# Altium PCB STB_LightBoard.PcbDoc (part 18 of 31)
Units mm, origin at the board's own origin, x right, y up, seen from the top; angles counter-clockwise.
Board outline 348 x 348 mm, 2 copper layers (Top Layer, Bottom Layer), stack 1.672 mm thick; 3807 components, 3391 nets, 11616 pads, 2553 vias.
Unrouted connection lines stored in the file: 68.
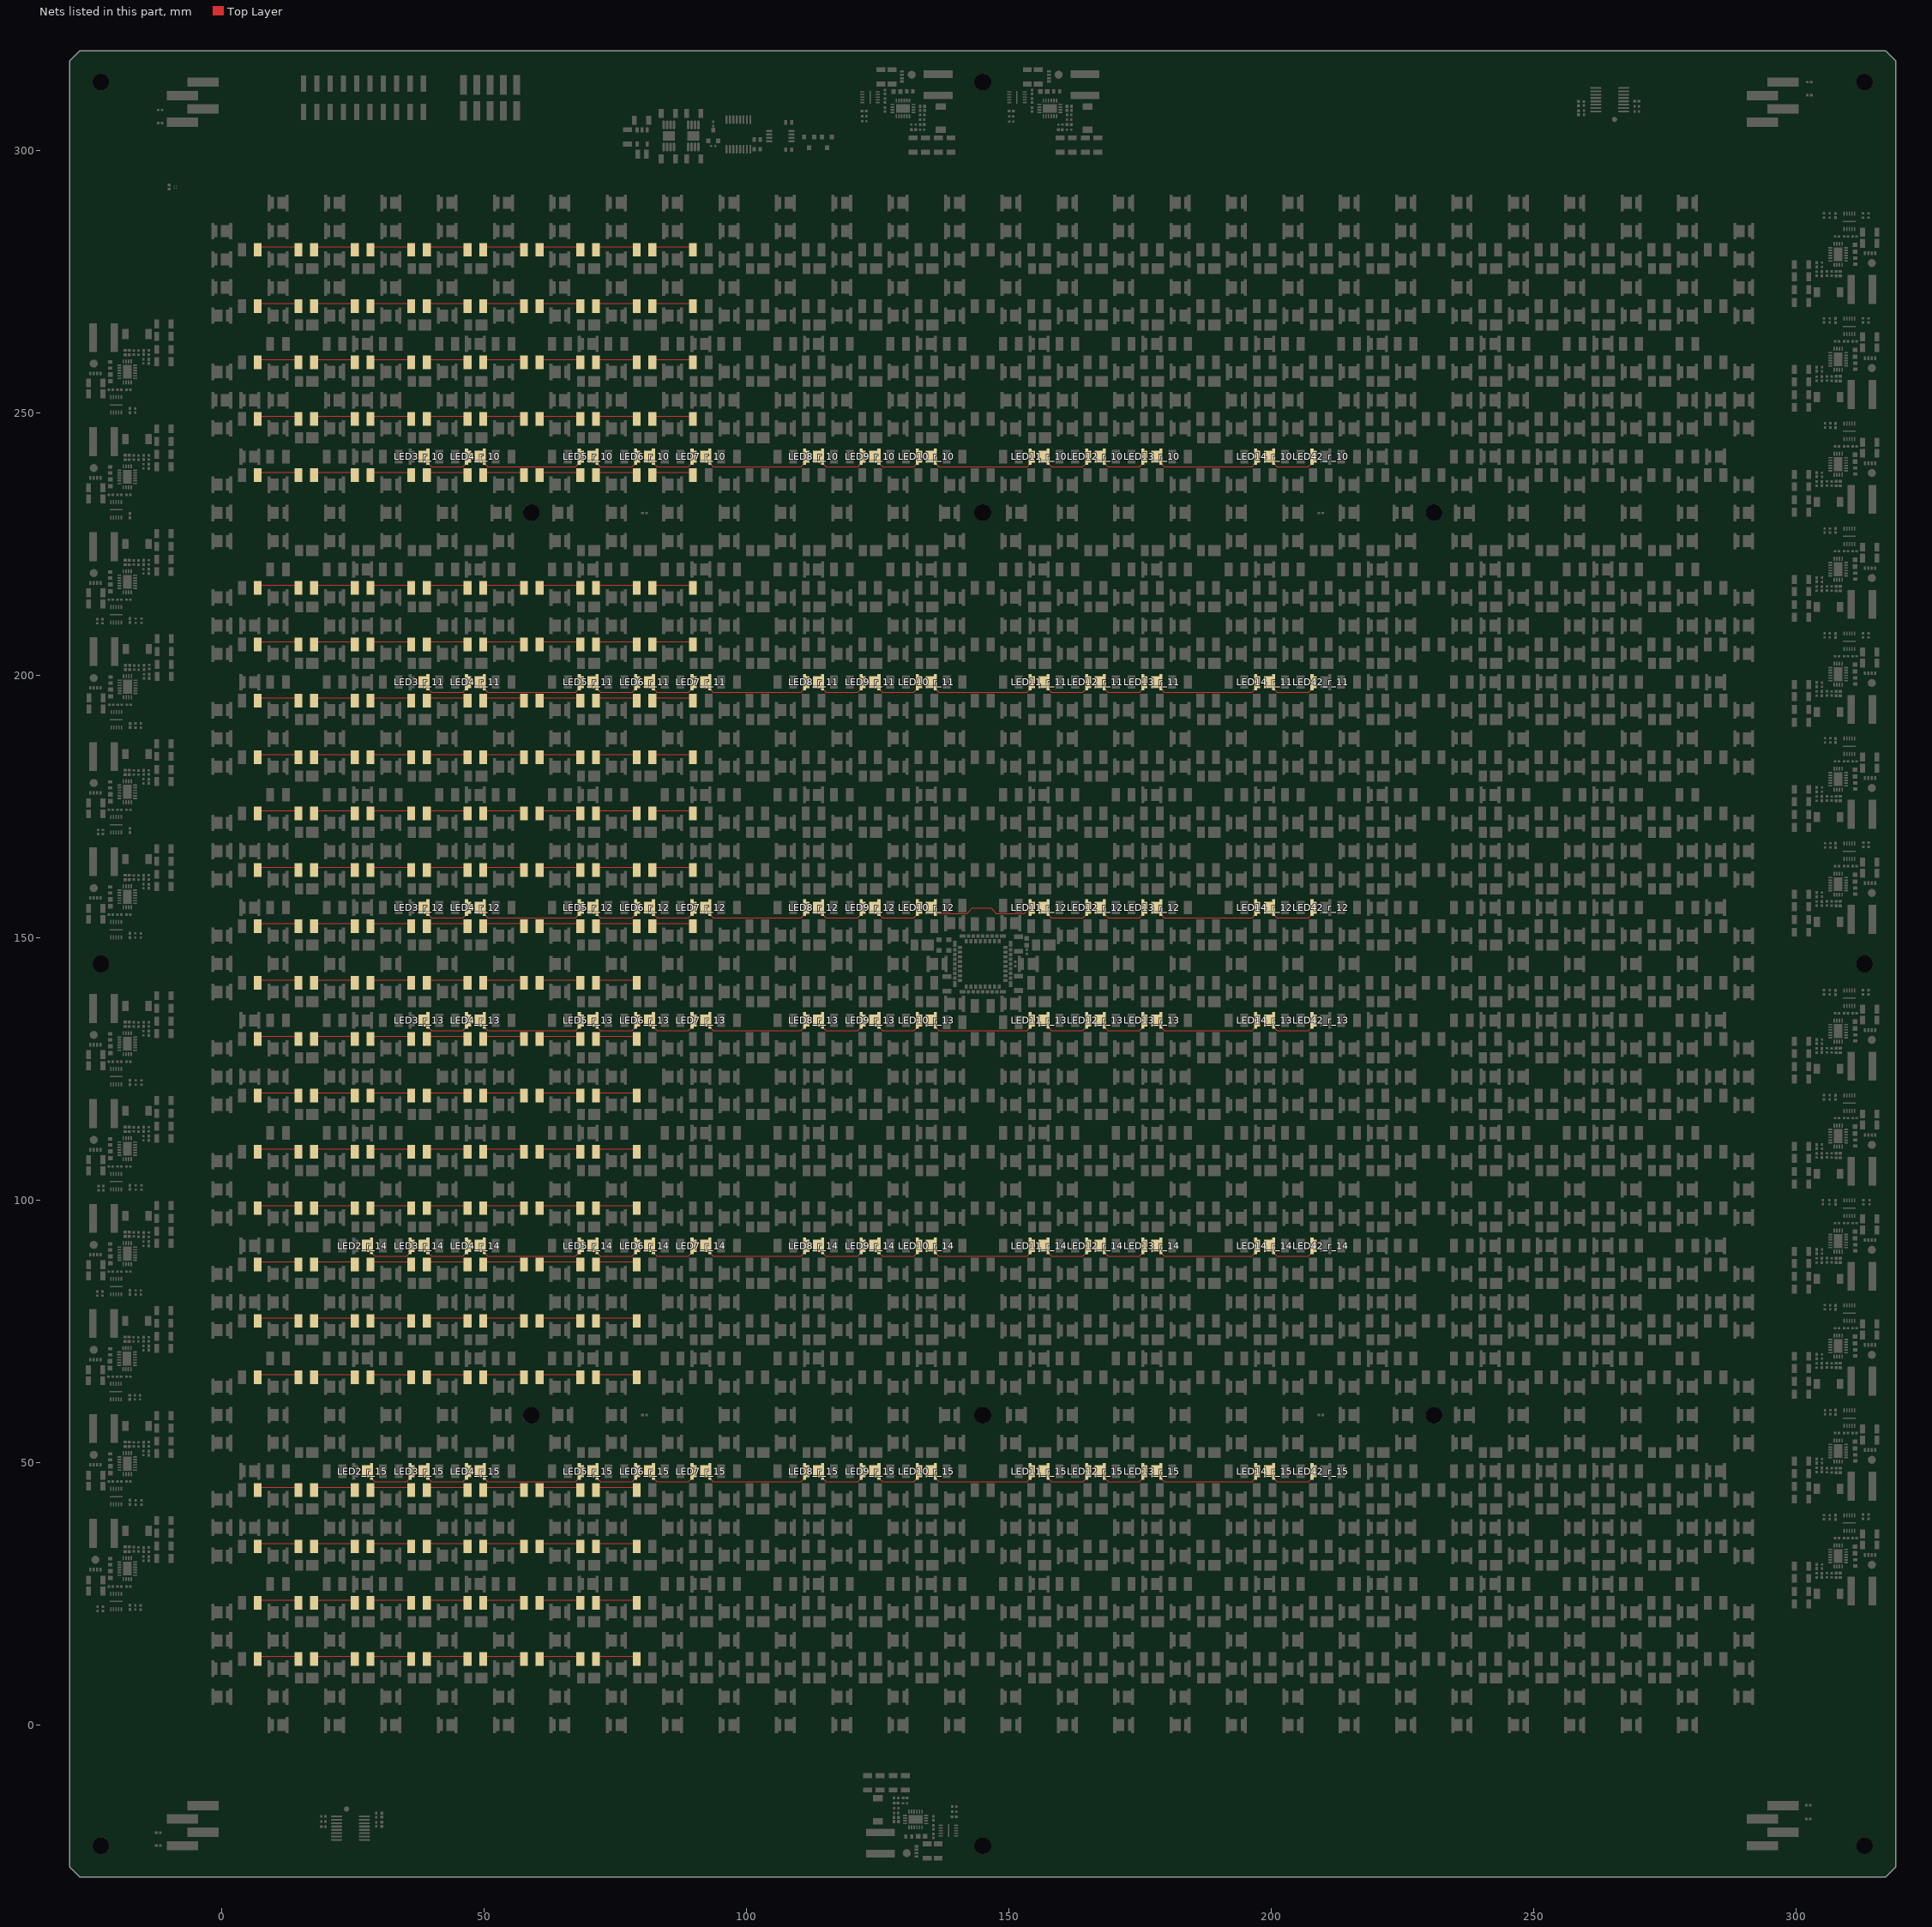
[diagram p18: the nets of this part, all layers, seen from the top]

## Via types
v1: diameter 0.604, hole 0.3, Top Layer to Bottom Layer, tented both sides, 2553 vias

## Nets (pads, with @x,y where several pads share a name; then routed paths per layer and width w, separated by ;. In a path a pad name is that pad's centre, name@x,y a point inside that pad or via, vN(x,y) a via of type N, cw(c..) or ccw(c..) an arc to the next point about the centre after c; other vN are vias at no path point) (continued)
NetLED2_r_14_1: LED2_r_14.1 LED3_r_14.2 | length 10.5
  Top Layer w0.2: LED2_r_14.1@28.552,91.276 28.552,90.001 29.227,89.326 35.218,89.326 35.893,90.001 LED3_r_14.2@35.893,91.276
NetLED2_r_15_1: LED2_r_15.1 LED3_r_15.2 | length 10.5
  Top Layer w0.2: LED2_r_15.1@28.552,48.312 28.552,47.037 29.227,46.362 35.218,46.362 35.893,47.037 LED3_r_15.2@35.893,48.312
NetLED3_r_10_1: LED3_r_10.1 LED4_r_10.2 | length 10.5
  Top Layer w0.2: LED3_r_10.1@39.293,241.65 39.293,240.375 39.968,239.7 45.959,239.7 46.634,240.375 LED4_r_10.2@46.634,241.65
NetLED3_r_11_1: LED3_r_11.1 LED4_r_11.2 | length 10.5
  Top Layer w0.2: LED3_r_11.1@39.293,198.686 39.293,197.411 39.968,196.736 45.959,196.736 46.634,197.411 LED4_r_11.2@46.634,198.686
NetLED3_r_12_1: LED3_r_12.1 LED4_r_12.2 | length 10.5
  Top Layer w0.2: LED3_r_12.1@39.293,155.722 39.293,154.447 39.968,153.772 45.959,153.772 46.634,154.447 LED4_r_12.2@46.634,155.722
NetLED3_r_13_1: LED3_r_13.1 LED4_r_13.2 | length 10.5
  Top Layer w0.2: LED3_r_13.1@39.293,134.24 39.293,132.965 39.968,132.29 45.959,132.29 46.634,132.965 LED4_r_13.2@46.634,134.24
NetLED3_r_14_1: LED3_r_14.1 LED4_r_14.2 | length 10.5
  Top Layer w0.2: LED3_r_14.1@39.293,91.276 39.293,90.001 39.968,89.326 45.959,89.326 46.634,90.001 LED4_r_14.2@46.634,91.276
NetLED3_r_15_1: LED3_r_15.1 LED4_r_15.2 | length 10.5
  Top Layer w0.2: LED3_r_15.1@39.293,48.312 39.293,47.037 39.968,46.362 45.959,46.362 46.634,47.037 LED4_r_15.2@46.634,48.312
NetLED4_r_10_1: LED4_r_10.1 LED5_r_10.2 | length 22.8
  Top Layer w0.2: LED4_r_10.1@50.034,241.65 50.034,240.375 50.709,239.7 67.423,239.7 67.898,240.175 67.916,240.175 LED5_r_10.2@68.3,240.559 ; LED5_r_10.2@68.3,240.559 68.3,241.852 LED5_r_10.2@68.3,240.559
NetLED4_r_11_1: LED4_r_11.1 LED5_r_11.2 | length 22.8
  Top Layer w0.2: LED4_r_11.1@50.034,198.686 50.034,197.411 50.709,196.736 67.423,196.736 67.898,197.211 67.916,197.211 LED5_r_11.2@68.3,197.595 ; LED5_r_11.2@68.3,197.595 68.3,198.888 LED5_r_11.2@68.3,197.595
NetLED4_r_12_1: LED4_r_12.1 LED5_r_12.2 | length 22.8
  Top Layer w0.2: LED4_r_12.1@50.034,155.722 50.034,154.447 50.709,153.772 67.423,153.772 67.898,154.247 67.916,154.247 LED5_r_12.2@68.3,154.631 ; LED5_r_12.2@68.3,154.631 68.3,155.924 LED5_r_12.2@68.3,154.631
NetLED4_r_13_1: LED4_r_13.1 LED5_r_13.2 | length 22.8
  Top Layer w0.2: LED4_r_13.1@50.034,134.24 50.034,132.965 50.709,132.29 67.423,132.29 67.898,132.765 67.916,132.765 LED5_r_13.2@68.3,133.149 ; LED5_r_13.2@68.3,133.149 68.3,134.442 LED5_r_13.2@68.3,133.149
NetLED4_r_14_1: LED4_r_14.1 LED5_r_14.2 | length 22.8
  Top Layer w0.2: LED4_r_14.1@50.034,91.276 50.034,90.001 50.709,89.326 67.423,89.326 67.898,89.801 67.916,89.801 LED5_r_14.2@68.3,90.185 ; LED5_r_14.2@68.3,90.185 68.3,91.478 LED5_r_14.2@68.3,90.185
NetLED4_r_15_1: LED4_r_15.1 LED5_r_15.2 | length 22.8
  Top Layer w0.2: LED4_r_15.1@50.034,48.312 50.034,47.037 50.709,46.362 67.423,46.362 67.898,46.837 67.916,46.837 LED5_r_15.2@68.3,47.221 ; LED5_r_15.2@68.3,47.221 68.3,48.514 LED5_r_15.2@68.3,47.221
NetLED5_r_10_1: LED5_r_10.1 LED6_r_10.2 | length 10.5
  Top Layer w0.2: LED5_r_10.1@71.516,241.65 71.516,240.375 72.191,239.7 78.182,239.7 78.857,240.375 LED6_r_10.2@78.857,241.65
NetLED5_r_11_1: LED5_r_11.1 LED6_r_11.2 | length 10.5
  Top Layer w0.2: LED5_r_11.1@71.516,198.686 71.516,197.411 72.191,196.736 78.182,196.736 78.857,197.411 LED6_r_11.2@78.857,198.686
NetLED5_r_12_1: LED5_r_12.1 LED6_r_12.2 | length 10.5
  Top Layer w0.2: LED5_r_12.1@71.516,155.722 71.516,154.447 72.191,153.772 78.182,153.772 78.857,154.447 LED6_r_12.2@78.857,155.722
NetLED5_r_13_1: LED5_r_13.1 LED6_r_13.2 | length 10.5
  Top Layer w0.2: LED5_r_13.1@71.516,134.24 71.516,132.965 72.191,132.29 78.182,132.29 78.857,132.965 LED6_r_13.2@78.857,134.24
NetLED5_r_14_1: LED5_r_14.1 LED6_r_14.2 | length 10.5
  Top Layer w0.2: LED5_r_14.1@71.516,91.276 71.516,90.001 72.191,89.326 78.182,89.326 78.857,90.001 LED6_r_14.2@78.857,91.276
NetLED5_r_15_1: LED5_r_15.1 LED6_r_15.2 | length 10.5
  Top Layer w0.2: LED5_r_15.1@71.516,48.312 71.516,47.037 72.191,46.362 78.182,46.362 78.857,47.037 LED6_r_15.2@78.857,48.312
NetLED6_r_10_1: LED6_r_10.1 LED7_r_10.2 | length 10.5
  Top Layer w0.2: LED6_r_10.1@82.257,241.65 82.257,240.375 82.932,239.7 88.923,239.7 89.598,240.375 LED7_r_10.2@89.598,241.65
NetLED6_r_11_1: LED6_r_11.1 LED7_r_11.2 | length 10.5
  Top Layer w0.2: LED6_r_11.1@82.257,198.686 82.257,197.411 82.932,196.736 88.923,196.736 89.598,197.411 LED7_r_11.2@89.598,198.686
NetLED6_r_12_1: LED6_r_12.1 LED7_r_12.2 | length 10.5
  Top Layer w0.2: LED6_r_12.1@82.257,155.722 82.257,154.447 82.932,153.772 88.923,153.772 89.598,154.447 LED7_r_12.2@89.598,155.722
NetLED6_r_13_1: LED6_r_13.1 LED7_r_13.2 | length 10.5
  Top Layer w0.2: LED6_r_13.1@82.257,134.24 82.257,132.965 82.932,132.29 88.923,132.29 89.598,132.965 LED7_r_13.2@89.598,134.24
NetLED6_r_14_1: LED6_r_14.1 LED7_r_14.2 | length 10.5
  Top Layer w0.2: LED6_r_14.1@82.257,91.276 82.257,90.001 82.932,89.326 88.923,89.326 89.598,90.001 LED7_r_14.2@89.598,91.276
NetLED6_r_15_1: LED6_r_15.1 LED7_r_15.2 | length 10.5
  Top Layer w0.2: LED6_r_15.1@82.257,48.312 82.257,47.037 82.932,46.362 88.923,46.362 89.598,47.037 LED7_r_15.2@89.598,48.312
NetLED7_r_10_1: LED7_r_10.1 LED8_r_10.2 | length 20.4
  Top Layer w0.2: LED7_r_10.1@92.998,241.65 92.998,240.375 93.673,239.7 110.397,239.7 110.872,240.175 110.88,240.175 111,240.295 LED8_r_10.2@111,240.303 ; LED8_r_10.2@111.08,241.65 LED8_r_10.2@111.67,241.65
NetLED7_r_11_1: LED7_r_11.1 LED8_r_11.2 | length 21
  Top Layer w0.2: LED7_r_11.1@92.998,198.686 92.998,197.411 93.673,196.736 110.397,196.736 110.872,197.211 110.88,197.211 111,197.331 LED8_r_11.2@111,197.339 ; LED8_r_11.2@111.08,198.686 111.67,198.686 LED8_r_11.2@111.08,198.686
NetLED7_r_12_1: LED7_r_12.1 LED8_r_12.2 | length 21
  Top Layer w0.2: LED7_r_12.1@92.998,155.722 92.998,154.447 93.673,153.772 110.397,153.772 110.872,154.247 110.88,154.247 111,154.367 LED8_r_12.2@111,154.375 ; LED8_r_12.2@111.08,155.722 111.67,155.722 LED8_r_12.2@111.08,155.722
NetLED7_r_13_1: LED7_r_13.1 LED8_r_13.2 | length 21
  Top Layer w0.2: LED7_r_13.1@92.998,134.24 92.998,132.965 93.673,132.29 110.397,132.29 110.872,132.765 110.88,132.765 111,132.885 LED8_r_13.2@111,132.893 ; LED8_r_13.2@111.08,134.24 111.67,134.24 LED8_r_13.2@111.08,134.24
NetLED7_r_14_1: LED7_r_14.1 LED8_r_14.2 | length 21
  Top Layer w0.2: LED7_r_14.1@92.998,91.276 92.998,90.001 93.673,89.326 110.397,89.326 110.872,89.801 110.88,89.801 111,89.921 LED8_r_14.2@111,89.929 ; LED8_r_14.2@111.08,91.276 111.67,91.276 LED8_r_14.2@111.08,91.276
NetLED7_r_15_1: LED7_r_15.1 LED8_r_15.2 | length 21
  Top Layer w0.2: LED7_r_15.1@92.998,48.312 92.998,47.037 93.673,46.362 110.397,46.362 110.872,46.837 110.88,46.837 111,46.957 LED8_r_15.2@111,46.965 ; LED8_r_15.2@111.08,48.312 111.67,48.312 LED8_r_15.2@111.08,48.312
NetLED8_r_10_1: LED8_r_10.1 LED9_r_10.2 | length 10.5
  Top Layer w0.2: LED8_r_10.1@114.48,241.65 114.48,240.375 115.155,239.7 121.146,239.7 121.821,240.375 LED9_r_10.2@121.821,241.65
NetLED8_r_11_1: LED8_r_11.1 LED9_r_11.2 | length 10.5
  Top Layer w0.2: LED8_r_11.1@114.48,198.686 114.48,197.411 115.155,196.736 121.146,196.736 121.821,197.411 LED9_r_11.2@121.821,198.686
NetLED8_r_12_1: LED8_r_12.1 LED9_r_12.2 | length 10.5
  Top Layer w0.2: LED8_r_12.1@114.48,155.722 114.48,154.447 115.155,153.772 121.146,153.772 121.821,154.447 LED9_r_12.2@121.821,155.722
NetLED8_r_13_1: LED8_r_13.1 LED9_r_13.2 | length 10.5
  Top Layer w0.2: LED8_r_13.1@114.48,134.24 114.48,132.965 115.155,132.29 121.146,132.29 121.821,132.965 LED9_r_13.2@121.821,134.24
NetLED8_r_14_1: LED8_r_14.1 LED9_r_14.2 | length 10.5
  Top Layer w0.2: LED8_r_14.1@114.48,91.276 114.48,90.001 115.155,89.326 121.146,89.326 121.821,90.001 LED9_r_14.2@121.821,91.276
NetLED8_r_15_1: LED8_r_15.1 LED9_r_15.2 | length 10.5
  Top Layer w0.2: LED8_r_15.1@114.48,48.312 114.48,47.037 115.155,46.362 121.146,46.362 121.821,47.037 LED9_r_15.2@121.821,48.312
NetLED9_r_10_1: LED9_r_10.1 LED10_r_10.2 | length 11
  Top Layer w0.2: LED9_r_10.1@125.221,241.65 125.221,240.375 125.896,239.7 131.887,239.7 132.562,240.375 LED10_r_10.2@132.562,241.65 LED10_r_10.2@133.152,241.65
NetLED9_r_11_1: LED9_r_11.1 LED10_r_11.2 | length 11
  Top Layer w0.2: LED9_r_11.1@125.221,198.686 125.221,197.411 125.896,196.736 131.887,196.736 132.562,197.411 LED10_r_11.2@132.562,198.686 ; LED10_r_11.2@132.562,198.69 LED10_r_11.2@133.152,198.69
NetLED9_r_12_1: LED9_r_12.1 LED10_r_12.2 | length 11
  Top Layer w0.2: LED9_r_12.1@125.221,155.722 125.221,154.447 125.896,153.772 131.887,153.772 132.562,154.447 LED10_r_12.2@132.562,155.722 ; LED10_r_12.2@132.562,155.73 LED10_r_12.2@133.152,155.73
NetLED9_r_13_1: LED9_r_13.1 LED10_r_13.2 | length 11
  Top Layer w0.2: LED9_r_13.1@125.221,134.24 125.221,132.965 125.896,132.29 131.887,132.29 132.562,132.965 LED10_r_13.2@132.562,134.24 ; LED10_r_13.2@132.562,134.25 LED10_r_13.2@133.152,134.25
NetLED9_r_14_1: LED9_r_14.1 LED10_r_14.2 | length 11
  Top Layer w0.2: LED9_r_14.1@125.221,91.276 125.221,90.001 125.896,89.326 131.887,89.326 132.562,90.001 132.562,91.276 132.576,91.29 LED10_r_14.2@133.152,91.29
NetLED9_r_15_1: LED9_r_15.1 LED10_r_15.2 | length 11
  Top Layer w0.2: LED9_r_15.1@125.221,48.312 125.221,47.037 125.896,46.362 131.887,46.362 132.562,47.037 LED10_r_15.2@132.562,48.312 ; LED10_r_15.2@132.562,48.33 LED10_r_15.2@133.152,48.33
NetLED10_r_10_1: LED10_r_10.1 LED11_r_10.2 | length 20.9
  Top Layer w0.2: LED10_r_10.1@135.962,241.65 135.962,240.375 136.637,239.7 153.425,239.7 153.844,240.119 153.844,240.175 LED11_r_10.2@154.016,240.347 ; LED11_r_10.2@154.6,240.875 154.6,240.756 154.444,240.6 154.244,240.6 154.072,240.428 LED11_r_10.2@154.072,240.347 ; LED11_r_10.2@154.016,240.347 LED11_r_10.2@154.072,240.347 ; LED11_r_10.2@154.016,240.347 LED11_r_10.2@154.072,240.347
NetLED10_r_11_1: LED10_r_11.1 LED11_r_11.2 | length 20.9
  Top Layer w0.2: LED10_r_11.1@135.962,198.686 135.962,197.411 136.637,196.736 153.425,196.736 153.844,197.155 153.844,197.211 LED11_r_11.2@154.016,197.383 ; LED11_r_11.2@154.6,197.911 154.6,197.792 154.444,197.636 154.244,197.636 154.072,197.464 LED11_r_11.2@154.072,197.383 ; LED11_r_11.2@154.016,197.383 LED11_r_11.2@154.072,197.383 ; LED11_r_11.2@154.016,197.383 LED11_r_11.2@154.072,197.383
NetLED10_r_12_1: LED10_r_12.1 LED11_r_12.2 | length 22.1
  Top Layer w0.2: LED10_r_12.1@135.962,155.722 135.962,154.792 136.162,154.592 141.987,154.592 143.029,155.634 146.567,155.634 147.609,154.592 152.906,154.592 LED11_r_12.2@154.044,155.73 154.044,154.872 154.244,154.672 154.444,154.672 154.6,154.828 LED11_r_12.2@154.6,154.947
NetLED10_r_13_1: LED10_r_13.1 LED11_r_13.2 | length 20.9
  Top Layer w0.2: LED10_r_13.1@135.962,134.24 135.962,132.965 136.637,132.29 153.425,132.29 153.844,132.709 153.844,132.765 LED11_r_13.2@154.016,132.937 ; LED11_r_13.2@154.6,133.465 154.6,133.346 154.444,133.19 154.244,133.19 154.072,133.018 LED11_r_13.2@154.072,132.937 ; LED11_r_13.2@154.016,132.937 LED11_r_13.2@154.072,132.937 ; LED11_r_13.2@154.016,132.937 LED11_r_13.2@154.072,132.937
NetLED10_r_14_1: LED10_r_14.1 LED11_r_14.2 | length 20.9
  Top Layer w0.2: LED10_r_14.1@135.962,91.276 135.962,90.001 136.637,89.326 153.425,89.326 153.844,89.745 153.844,89.801 LED11_r_14.2@154.016,89.973 ; LED11_r_14.2@154.6,90.501 154.6,90.382 154.444,90.226 154.244,90.226 154.072,90.054 LED11_r_14.2@154.072,89.973 ; LED11_r_14.2@154.016,89.973 LED11_r_14.2@154.072,89.973 ; LED11_r_14.2@154.016,89.973 LED11_r_14.2@154.072,89.973
NetLED10_r_15_1: LED10_r_15.1 LED11_r_15.2 | length 20.9
  Top Layer w0.2: LED10_r_15.1@135.962,48.312 135.962,47.037 136.637,46.362 153.425,46.362 153.844,46.781 153.844,46.837 LED11_r_15.2@154.016,47.009 ; LED11_r_15.2@154.6,47.537 154.6,47.418 154.444,47.262 154.244,47.262 154.072,47.09 LED11_r_15.2@154.072,47.009 ; LED11_r_15.2@154.016,47.009 LED11_r_15.2@154.072,47.009 ; LED11_r_15.2@154.016,47.009 LED11_r_15.2@154.072,47.009
NetLED11_r_10_1: LED11_r_10.1 LED12_r_10.2 | length 11
  Top Layer w0.2: LED11_r_10.1@157.444,241.65 157.444,240.375 158.119,239.7 164.11,239.7 164.785,240.375 LED12_r_10.2@164.785,241.65 LED12_r_10.2@165.375,241.65
NetLED11_r_11_1: LED11_r_11.1 LED12_r_11.2 | length 11
  Top Layer w0.2: LED11_r_11.1@157.444,198.686 157.444,197.411 158.119,196.736 164.11,196.736 164.785,197.411 164.785,198.686 164.789,198.69 LED12_r_11.2@165.375,198.69
NetLED11_r_12_1: LED11_r_12.1 LED12_r_12.2 | length 10.5
  Top Layer w0.2: LED11_r_12.1@157.444,155.722 157.444,154.447 158.119,153.772 164.11,153.772 164.785,154.447 LED12_r_12.2@164.785,155.722
NetLED11_r_13_1: LED11_r_13.1 LED12_r_13.2 | length 10.5
  Top Layer w0.2: LED11_r_13.1@157.444,134.24 157.444,132.965 158.119,132.29 164.11,132.29 164.785,132.965 LED12_r_13.2@164.785,134.24
NetLED11_r_14_1: LED11_r_14.1 LED12_r_14.2 | length 10.5
  Top Layer w0.2: LED11_r_14.1@157.444,91.276 157.444,90.001 158.119,89.326 164.11,89.326 164.785,90.001 LED12_r_14.2@164.785,91.276
NetLED11_r_15_1: LED11_r_15.1 LED12_r_15.2 | length 10.5
  Top Layer w0.2: LED11_r_15.1@157.444,48.312 157.444,47.037 158.119,46.362 164.11,46.362 164.785,47.037 LED12_r_15.2@164.785,48.312
NetLED12_r_10_1: LED12_r_10.1 LED13_r_10.2 | length 11.5
  Top Layer w0.2: LED12_r_10.1@167.12,241.65 LED12_r_10.1@168.185,241.65 168.185,240.375 168.86,239.7 174.851,239.7 175.526,240.375 LED13_r_10.2@175.526,241.65
NetLED12_r_11_1: LED12_r_11.1 LED13_r_11.2 | length 10.5
  Top Layer w0.2: LED12_r_11.1@168.185,198.686 168.185,197.411 168.86,196.736 174.851,196.736 175.526,197.411 LED13_r_11.2@175.526,198.686
NetLED12_r_12_1: LED12_r_12.1 LED13_r_12.2 | length 10.5
  Top Layer w0.2: LED12_r_12.1@168.185,155.722 168.185,154.447 168.86,153.772 174.851,153.772 175.526,154.447 LED13_r_12.2@175.526,155.722
NetLED12_r_13_1: LED12_r_13.1 LED13_r_13.2 | length 10.5
  Top Layer w0.2: LED12_r_13.1@168.185,134.24 168.185,132.965 168.86,132.29 174.851,132.29 175.526,132.965 LED13_r_13.2@175.526,134.24
NetLED12_r_14_1: LED12_r_14.1 LED13_r_14.2 | length 10.5
  Top Layer w0.2: LED12_r_14.1@168.185,91.276 168.185,90.001 168.86,89.326 174.851,89.326 175.526,90.001 LED13_r_14.2@175.526,91.276
NetLED12_r_15_1: LED12_r_15.1 LED13_r_15.2 | length 10.5
  Top Layer w0.2: LED12_r_15.1@168.185,48.312 168.185,47.037 168.86,46.362 174.851,46.362 175.526,47.037 LED13_r_15.2@175.526,48.312
NetLED13_r_10_1: LED13_r_10.1 LED14_r_10.2 | length 19.9
  Top Layer w0.2: LED13_r_10.1@178.926,241.65 178.926,240.375 179.601,239.7 196.309,239.7 196.784,240.175 196.808,240.175 197,240.367 LED14_r_10.2@197,240.391
NetLED13_r_11_1: LED13_r_11.1 LED14_r_11.2 | length 19.9
  Top Layer w0.2: LED13_r_11.1@178.926,198.686 178.926,197.411 179.601,196.736 196.309,196.736 196.784,197.211 196.808,197.211 197,197.403 LED14_r_11.2@197,197.427
NetLED13_r_12_1: LED13_r_12.1 LED14_r_12.2 | length 19.9
  Top Layer w0.2: LED13_r_12.1@178.926,155.722 178.926,154.447 179.601,153.772 196.309,153.772 196.784,154.247 196.808,154.247 197,154.439 LED14_r_12.2@197,154.463
NetLED13_r_13_1: LED13_r_13.1 LED14_r_13.2 | length 19.9
  Top Layer w0.2: LED13_r_13.1@178.926,134.24 178.926,132.965 179.601,132.29 196.309,132.29 196.784,132.765 196.808,132.765 197,132.957 LED14_r_13.2@197,132.981
NetLED13_r_14_1: LED13_r_14.1 LED14_r_14.2 | length 19.9
  Top Layer w0.2: LED13_r_14.1@178.926,91.276 178.926,90.001 179.601,89.326 196.309,89.326 196.784,89.801 196.808,89.801 197,89.993 LED14_r_14.2@197,90.017
NetLED13_r_15_1: LED13_r_15.1 LED14_r_15.2 | length 19.9
  Top Layer w0.2: LED13_r_15.1@178.926,48.312 178.926,47.037 179.601,46.362 196.309,46.362 196.784,46.837 196.808,46.837 197,47.029 LED14_r_15.2@197,47.053
NetLED14_r_10_1: LED14_r_10.1 LED42_r_10.2 | length 10.5
  Top Layer w0.2: LED14_r_10.1@200.408,241.65 200.408,240.375 201.083,239.7 207.074,239.7 207.749,240.375 LED42_r_10.2@207.749,241.65
NetLED14_r_11_1: LED14_r_11.1 LED42_r_11.2 | length 10.5
  Top Layer w0.2: LED14_r_11.1@200.408,198.686 200.408,197.411 201.083,196.736 207.074,196.736 207.749,197.411 LED42_r_11.2@207.749,198.686
NetLED14_r_12_1: LED14_r_12.1 LED42_r_12.2 | length 10.5
  Top Layer w0.2: LED14_r_12.1@200.408,155.722 200.408,154.447 201.083,153.772 207.074,153.772 207.749,154.447 LED42_r_12.2@207.749,155.722
NetLED14_r_13_1: LED14_r_13.1 LED42_r_13.2 | length 10.5
  Top Layer w0.2: LED14_r_13.1@200.408,134.24 200.408,132.965 201.083,132.29 207.074,132.29 207.749,132.965 LED42_r_13.2@207.749,134.24
NetLED14_r_14_1: LED14_r_14.1 LED42_r_14.2 | length 10.5
  Top Layer w0.2: LED14_r_14.1@200.408,91.276 200.408,90.001 201.083,89.326 207.074,89.326 207.749,90.001 LED42_r_14.2@207.749,91.276
NetLED14_r_15_1: LED14_r_15.1 LED42_r_15.2 | length 10.5
  Top Layer w0.2: LED14_r_15.1@200.408,48.312 200.408,47.037 201.083,46.362 207.074,46.362 207.749,47.037 LED42_r_15.2@207.749,48.312
NetLED15_IR940_10_1: LED15_IR940_10.1 LED16_IR940_10.2 | length 8.2
  Top Layer w0.2: LED15_IR940_10.1@6.87,281.066 7.404,281.6 14.077,281.6 LED16_IR940_10.2@14.611,281.066
NetLED15_IR940_11_1: LED15_IR940_11.1 LED16_IR940_11.2 | length 8.2
  Top Layer w0.2: LED15_IR940_11.1@6.87,270.325 7.404,270.859 14.077,270.859 LED16_IR940_11.2@14.611,270.325
NetLED15_IR940_12_1: LED15_IR940_12.1 LED16_IR940_12.2 | length 8.2
  Top Layer w0.2: LED15_IR940_12.1@6.87,259.584 7.404,260.118 14.077,260.118 LED16_IR940_12.2@14.611,259.584
NetLED15_IR940_13_1: LED15_IR940_13.1 LED16_IR940_13.2 | length 8.2
  Top Layer w0.2: LED15_IR940_13.1@6.87,248.843 7.404,249.377 14.077,249.377 LED16_IR940_13.2@14.611,248.843
NetLED15_IR940_14_1: LED15_IR940_14.1 LED16_IR940_14.2 | length 8.2
  Top Layer w0.2: LED15_IR940_14.1@6.87,238.102 7.404,238.636 14.077,238.636 LED16_IR940_14.2@14.611,238.102
NetLED15_IR940_15_1: LED15_IR940_15.1 LED16_IR940_15.2 | length 8.2
  Top Layer w0.2: LED15_IR940_15.1@6.87,216.62 7.404,217.154 14.077,217.154 LED16_IR940_15.2@14.611,216.62
NetLED15_IR940_20_1: LED15_IR940_20.1 LED16_IR940_20.2 | length 8.2
  Top Layer w0.2: LED15_IR940_20.1@6.87,205.879 7.404,206.413 14.077,206.413 LED16_IR940_20.2@14.611,205.879
NetLED15_IR940_21_1: LED15_IR940_21.1 LED16_IR940_21.2 | length 8.2
  Top Layer w0.2: LED15_IR940_21.1@6.87,195.138 7.404,195.672 14.077,195.672 LED16_IR940_21.2@14.611,195.138
NetLED15_IR940_22_1: LED15_IR940_22.1 LED16_IR940_22.2 | length 8.2
  Top Layer w0.2: LED15_IR940_22.1@6.87,184.397 7.404,184.931 14.077,184.931 LED16_IR940_22.2@14.611,184.397
NetLED15_IR940_23_1: LED15_IR940_23.1 LED16_IR940_23.2 | length 8.2
  Top Layer w0.2: LED15_IR940_23.1@6.87,173.656 7.404,174.19 14.077,174.19 LED16_IR940_23.2@14.611,173.656
NetLED15_IR940_24_1: LED15_IR940_24.1 LED16_IR940_24.2 | length 8.2
  Top Layer w0.2: LED15_IR940_24.1@6.87,162.915 7.404,163.449 14.077,163.449 LED16_IR940_24.2@14.611,162.915
NetLED15_IR940_25_1: LED15_IR940_25.1 LED16_IR940_25.2 | length 8.2
  Top Layer w0.2: LED15_IR940_25.1@6.87,152.174 7.404,152.708 14.077,152.708 LED16_IR940_25.2@14.611,152.174
NetLED15_IR940_30_1: LED15_IR940_30.1 LED16_IR940_30.2 | length 8.2
  Top Layer w0.2: LED15_IR940_30.1@6.87,141.433 7.404,141.967 14.077,141.967 LED16_IR940_30.2@14.611,141.433
NetLED15_IR940_31_1: LED15_IR940_31.1 LED16_IR940_31.2 | length 8.2
  Top Layer w0.2: LED15_IR940_31.1@6.87,130.692 7.404,131.226 14.077,131.226 LED16_IR940_31.2@14.611,130.692
NetLED15_IR940_32_1: LED15_IR940_32.1 LED16_IR940_32.2 | length 8.2
  Top Layer w0.2: LED15_IR940_32.1@6.87,119.951 7.404,120.485 14.077,120.485 LED16_IR940_32.2@14.611,119.951
NetLED15_IR940_33_1: LED15_IR940_33.1 LED16_IR940_33.2 | length 8.2
  Top Layer w0.2: LED15_IR940_33.1@6.87,109.21 7.404,109.744 14.077,109.744 LED16_IR940_33.2@14.611,109.21
NetLED15_IR940_34_1: LED15_IR940_34.1 LED16_IR940_34.2 | length 8.2
  Top Layer w0.2: LED15_IR940_34.1@6.87,98.469 7.404,99.003 14.077,99.003 LED16_IR940_34.2@14.611,98.469
NetLED15_IR940_35_1: LED15_IR940_35.1 LED16_IR940_35.2 | length 8.2
  Top Layer w0.2: LED15_IR940_35.1@6.87,87.728 7.404,88.262 14.077,88.262 LED16_IR940_35.2@14.611,87.728
NetLED15_IR940_40_1: LED15_IR940_40.1 LED16_IR940_40.2 | length 8.2
  Top Layer w0.2: LED15_IR940_40.1@6.87,76.987 7.404,77.521 14.077,77.521 LED16_IR940_40.2@14.611,76.987
NetLED15_IR940_41_1: LED15_IR940_41.1 LED16_IR940_41.2 | length 8.2